# KiCad board panel.kicad_pcb
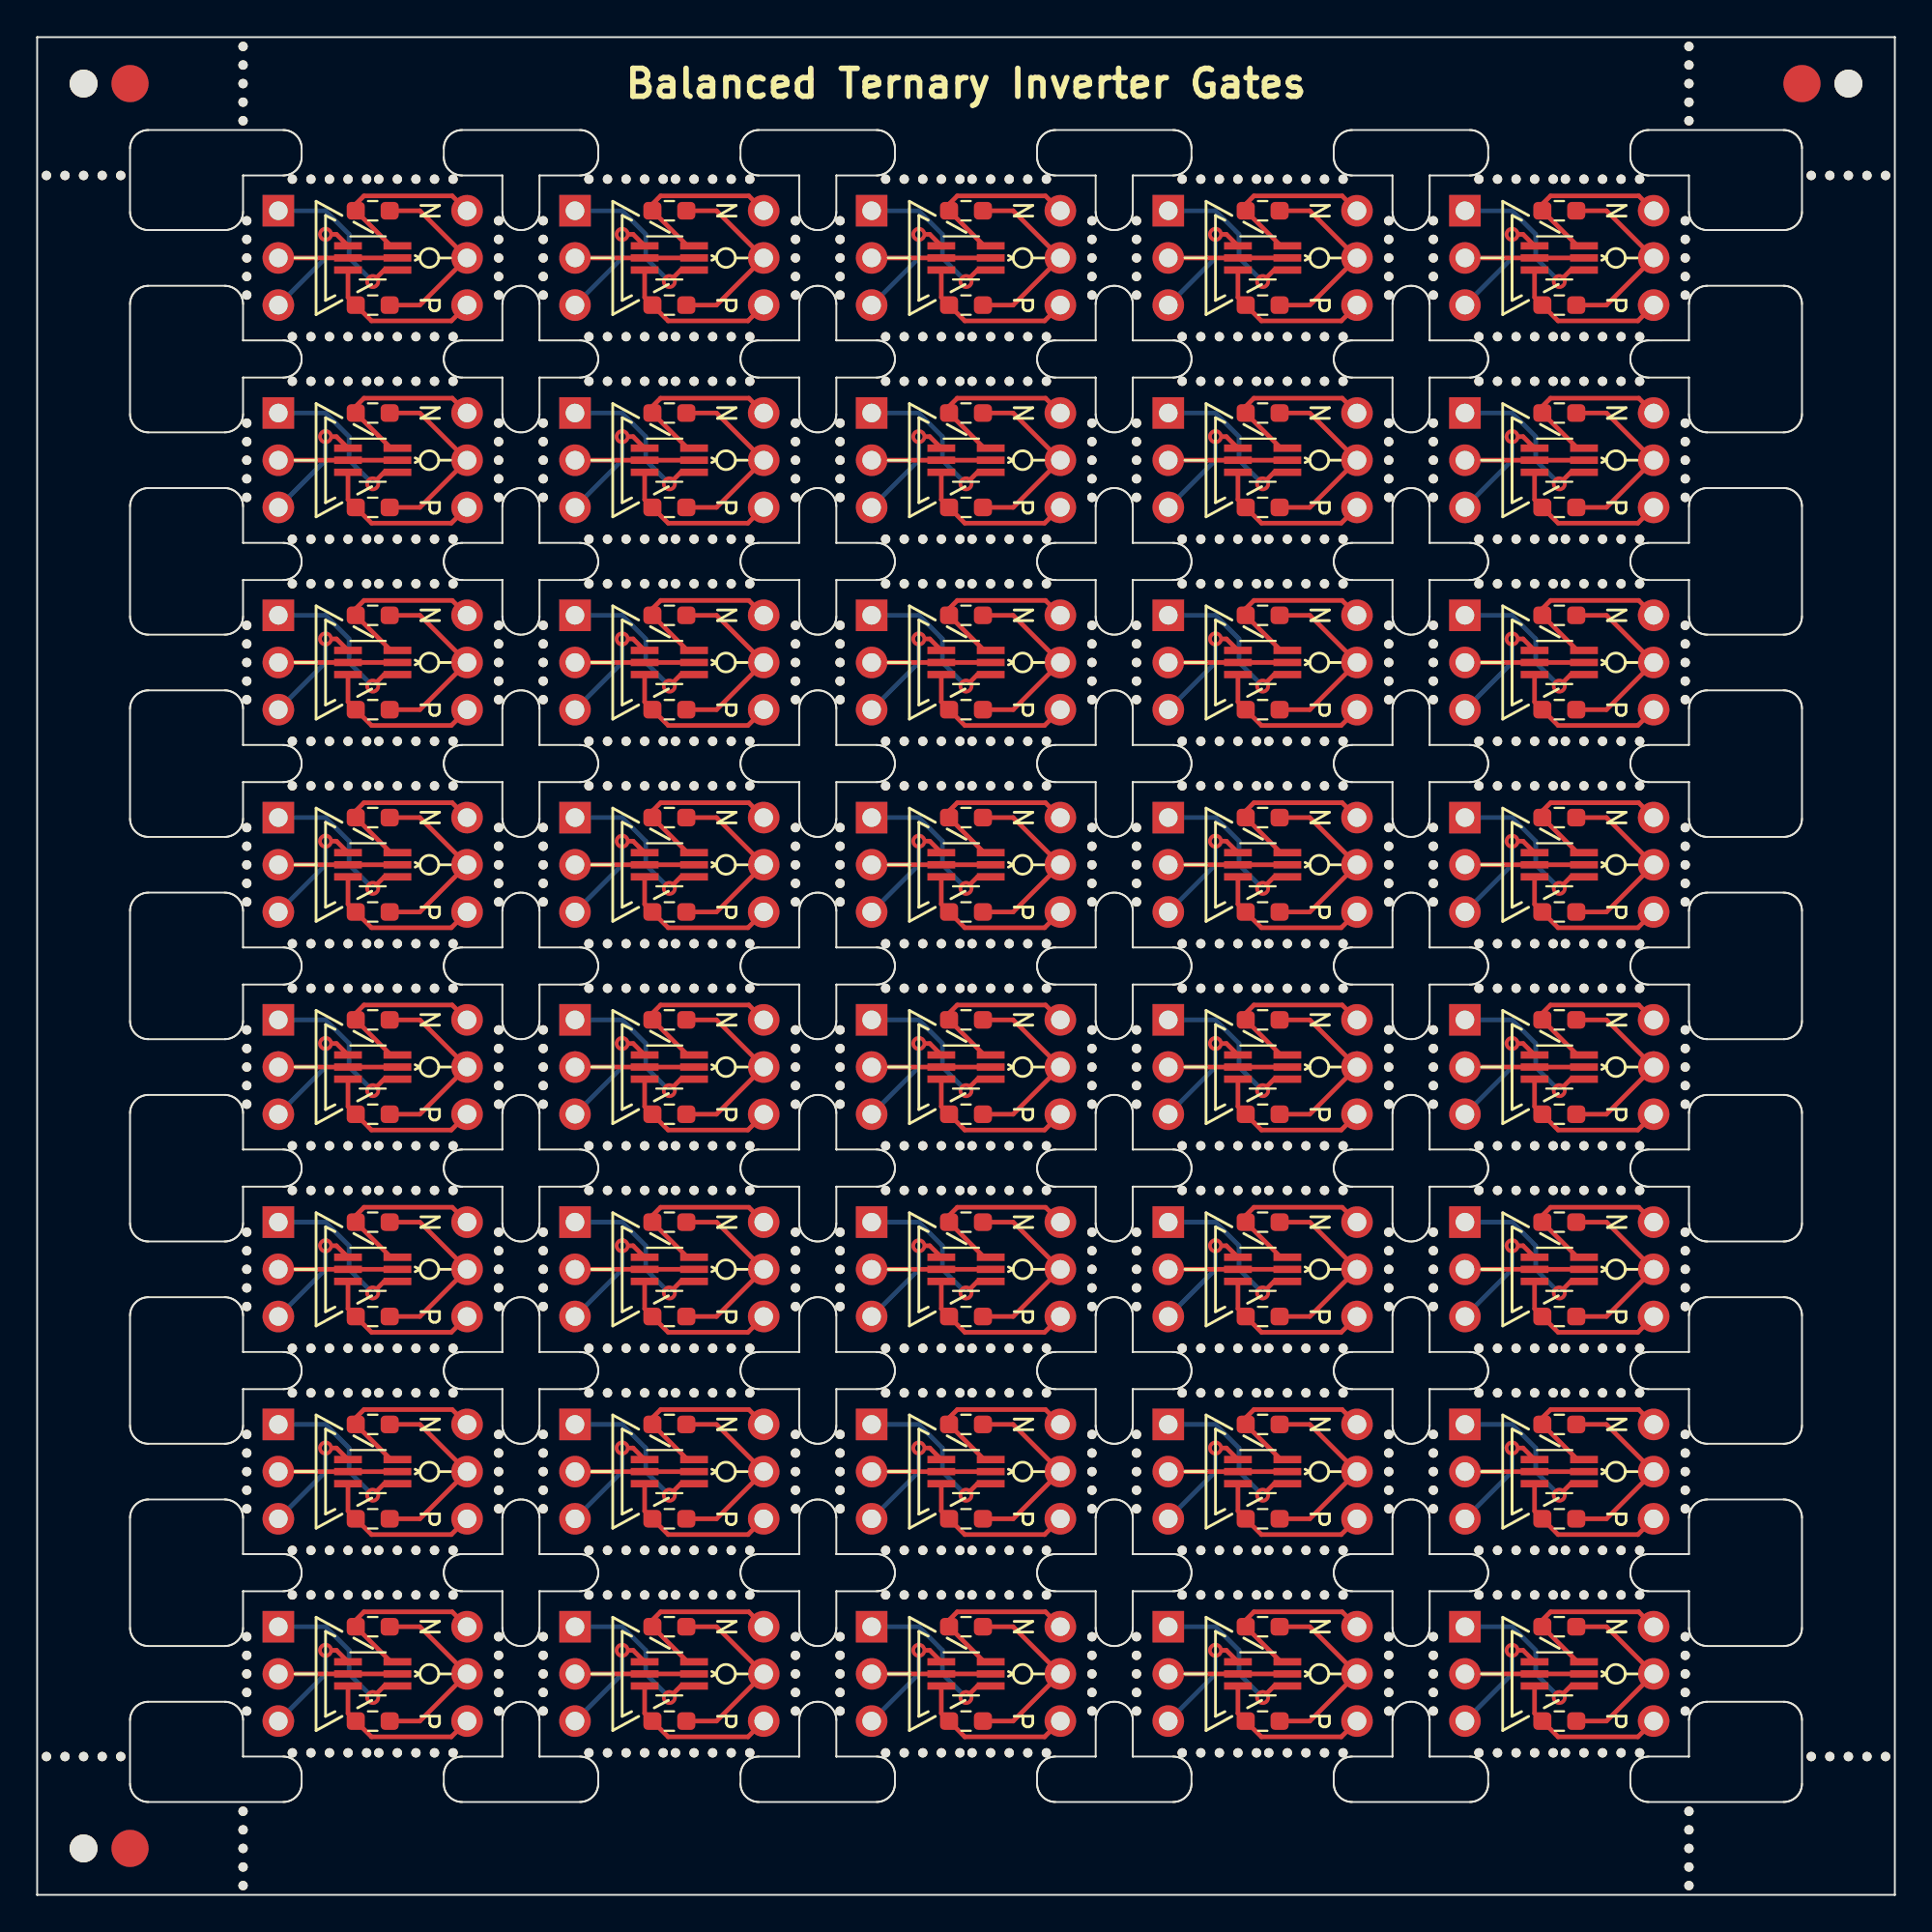
[diagram p0: board, top side]
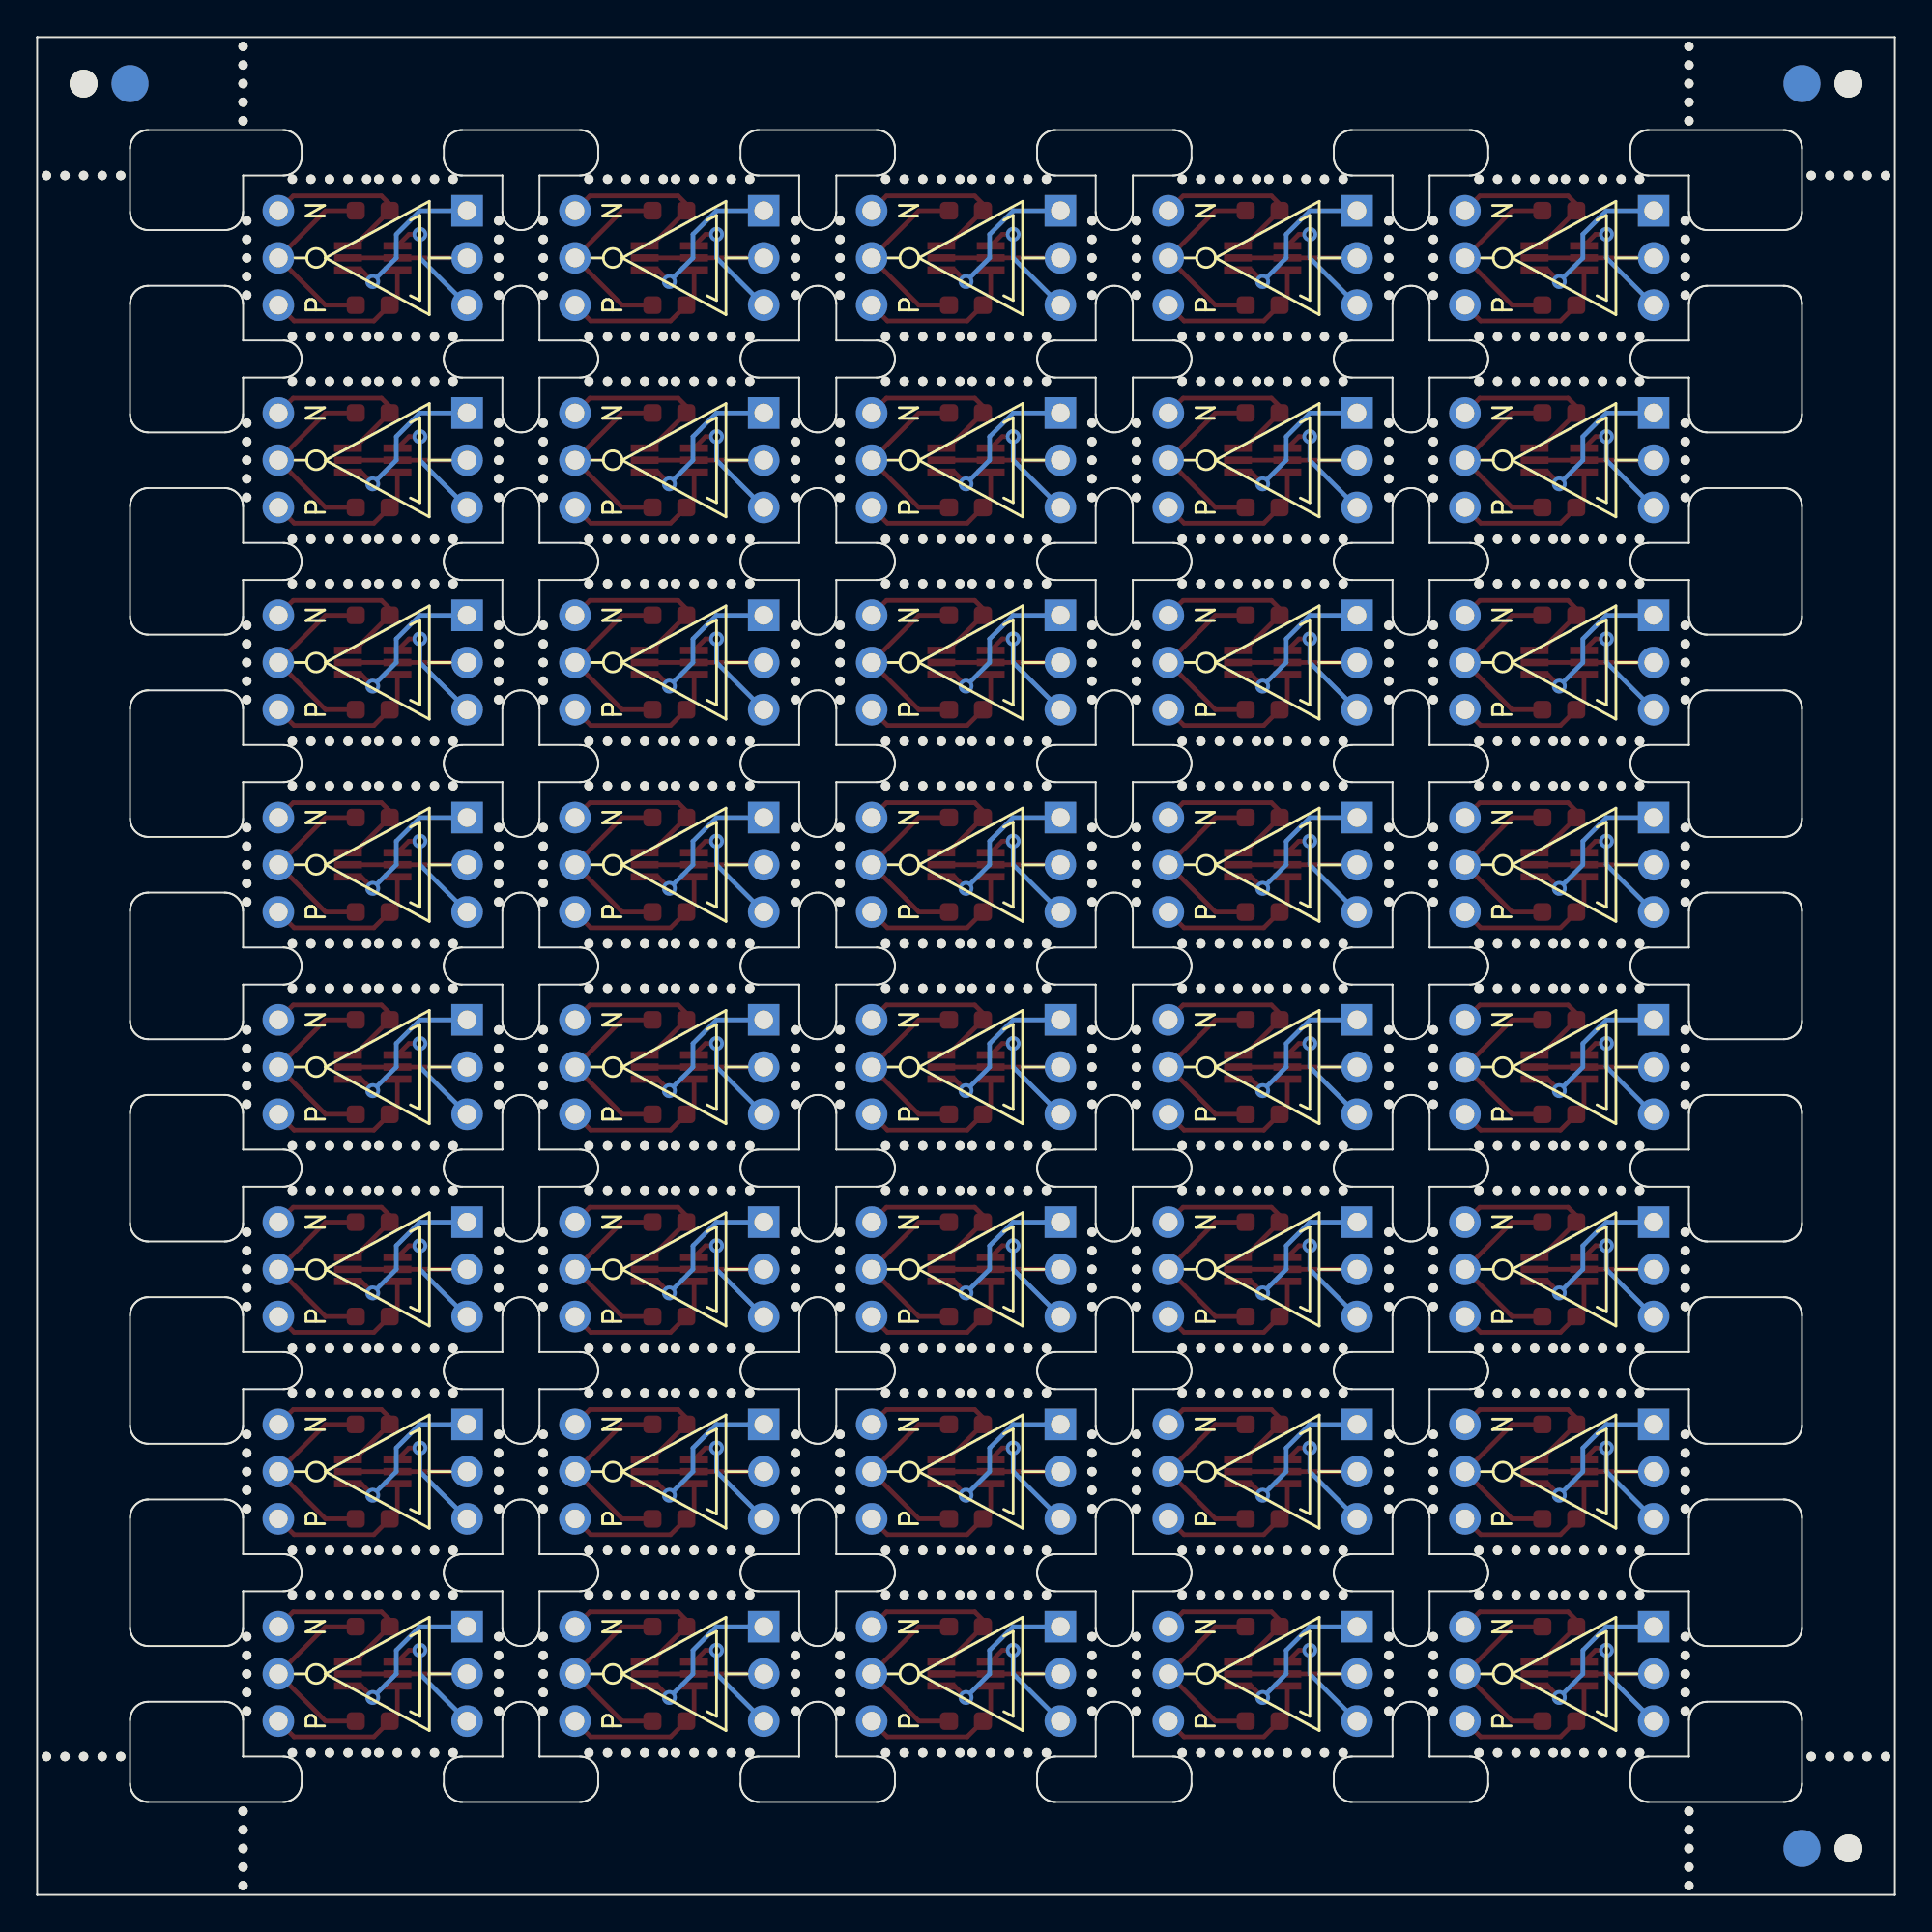
[diagram p1: board, bottom side, seen from below]

Outline 100.01 x 100.01 mm; copper layers: Top, Bottom. Coordinates in mm from the lower left corner of the outline.
Stack: Top 0.035mm / dielectric 1.51mm FR4 er 4.5 / Bottom 0.035mm

## Placement (name value [footprint] x y rotation side)
J1  Conn_01x03  [PinHeader_1x03_P2.54mm_Vertical_NoSilkscreen#2]  28.95 79.78 0 top
J1#2  Conn_01x03  [PinHeader_1x03_P2.54mm_Vertical_NoSilkscreen#2]  60.89 36.22 0 top
J1#3  Conn_01x03  [PinHeader_1x03_P2.54mm_Vertical_NoSilkscreen#2]  44.92 68.89 0 top
J1#4  Conn_01x03  [PinHeader_1x03_P2.54mm_Vertical_NoSilkscreen#2]  76.86 36.22 0 top
J1#5  Conn_01x03  [PinHeader_1x03_P2.54mm_Vertical_NoSilkscreen#2]  44.92 47.11 0 top
J1#6  Conn_01x03  [PinHeader_1x03_P2.54mm_Vertical_NoSilkscreen#2]  28.95 14.44 0 top
J1#7  Conn_01x03  [PinHeader_1x03_P2.54mm_Vertical_NoSilkscreen#2]  28.95 68.89 0 top
J1#8  Conn_01x03  [PinHeader_1x03_P2.54mm_Vertical_NoSilkscreen#2]  76.86 25.33 0 top
J1#9  Conn_01x03  [PinHeader_1x03_P2.54mm_Vertical_NoSilkscreen#2]  76.86 14.44 0 top
J1#10  Conn_01x03  [PinHeader_1x03_P2.54mm_Vertical_NoSilkscreen#2]  28.95 90.67 0 top
J1#11  Conn_01x03  [PinHeader_1x03_P2.54mm_Vertical_NoSilkscreen#2]  12.98 47.11 0 top
J1#12  Conn_01x03  [PinHeader_1x03_P2.54mm_Vertical_NoSilkscreen#2]  76.86 90.67 0 top
J1#13  Conn_01x03  [PinHeader_1x03_P2.54mm_Vertical_NoSilkscreen#2]  12.98 68.89 0 top
J1#14  Conn_01x03  [PinHeader_1x03_P2.54mm_Vertical_NoSilkscreen#2]  60.89 58 0 top
J1#15  Conn_01x03  [PinHeader_1x03_P2.54mm_Vertical_NoSilkscreen#2]  44.92 58 0 top
J1#16  Conn_01x03  [PinHeader_1x03_P2.54mm_Vertical_NoSilkscreen#2]  12.98 36.22 0 top
J1#17  Conn_01x03  [PinHeader_1x03_P2.54mm_Vertical_NoSilkscreen#2]  76.86 58 0 top
J1#18  Conn_01x03  [PinHeader_1x03_P2.54mm_Vertical_NoSilkscreen#2]  28.95 25.33 0 top
J1#19  Conn_01x03  [PinHeader_1x03_P2.54mm_Vertical_NoSilkscreen#2]  44.92 14.44 0 top
J1#20  Conn_01x03  [PinHeader_1x03_P2.54mm_Vertical_NoSilkscreen#2]  60.89 25.33 0 top
J1#21  Conn_01x03  [PinHeader_1x03_P2.54mm_Vertical_NoSilkscreen#2]  44.92 79.78 0 top
J1#22  Conn_01x03  [PinHeader_1x03_P2.54mm_Vertical_NoSilkscreen#2]  12.98 90.67 0 top
J1#23  Conn_01x03  [PinHeader_1x03_P2.54mm_Vertical_NoSilkscreen#2]  44.92 36.22 0 top
J1#24  Conn_01x03  [PinHeader_1x03_P2.54mm_Vertical_NoSilkscreen#2]  60.89 14.44 0 top
J1#25  Conn_01x03  [PinHeader_1x03_P2.54mm_Vertical_NoSilkscreen#2]  12.98 25.33 0 top
J1#26  Conn_01x03  [PinHeader_1x03_P2.54mm_Vertical_NoSilkscreen#2]  12.98 79.78 0 top
J1#27  Conn_01x03  [PinHeader_1x03_P2.54mm_Vertical_NoSilkscreen#2]  76.86 79.78 0 top
J1#28  Conn_01x03  [PinHeader_1x03_P2.54mm_Vertical_NoSilkscreen#2]  44.92 25.33 0 top
J1#29  Conn_01x03  [PinHeader_1x03_P2.54mm_Vertical_NoSilkscreen#2]  60.89 90.67 0 top
J1#30  Conn_01x03  [PinHeader_1x03_P2.54mm_Vertical_NoSilkscreen#2]  28.95 36.22 0 top
J1#31  Conn_01x03  [PinHeader_1x03_P2.54mm_Vertical_NoSilkscreen#2]  12.98 14.44 0 top
J1#32  Conn_01x03  [PinHeader_1x03_P2.54mm_Vertical_NoSilkscreen#2]  76.86 47.11 0 top
J1#33  Conn_01x03  [PinHeader_1x03_P2.54mm_Vertical_NoSilkscreen#2]  44.92 90.67 0 top
J1#34  Conn_01x03  [PinHeader_1x03_P2.54mm_Vertical_NoSilkscreen#2]  76.86 68.89 0 top
J1#35  Conn_01x03  [PinHeader_1x03_P2.54mm_Vertical_NoSilkscreen#2]  28.95 47.11 0 top
J1#36  Conn_01x03  [PinHeader_1x03_P2.54mm_Vertical_NoSilkscreen#2]  60.89 79.78 0 top
J1#37  Conn_01x03  [PinHeader_1x03_P2.54mm_Vertical_NoSilkscreen#2]  28.95 58 0 top
J1#38  Conn_01x03  [PinHeader_1x03_P2.54mm_Vertical_NoSilkscreen#2]  60.89 68.89 0 top
J1#39  Conn_01x03  [PinHeader_1x03_P2.54mm_Vertical_NoSilkscreen#2]  60.89 47.11 0 top
J1#40  Conn_01x03  [PinHeader_1x03_P2.54mm_Vertical_NoSilkscreen#2]  12.98 58 0 top
J2  Conn_01x03  [PinHeader_1x03_P2.54mm_Vertical_NoSilkscreen]  87.03 79.78 0 top
J2#2  Conn_01x03  [PinHeader_1x03_P2.54mm_Vertical_NoSilkscreen]  71.06 79.78 0 top
J2#3  Conn_01x03  [PinHeader_1x03_P2.54mm_Vertical_NoSilkscreen]  23.15 47.11 0 top
J2#4  Conn_01x03  [PinHeader_1x03_P2.54mm_Vertical_NoSilkscreen]  55.08 90.67 0 top
J2#5  Conn_01x03  [PinHeader_1x03_P2.54mm_Vertical_NoSilkscreen]  39.12 25.33 0 top
J2#6  Conn_01x03  [PinHeader_1x03_P2.54mm_Vertical_NoSilkscreen]  87.03 47.11 0 top
J2#7  Conn_01x03  [PinHeader_1x03_P2.54mm_Vertical_NoSilkscreen]  55.08 14.44 0 top
J2#8  Conn_01x03  [PinHeader_1x03_P2.54mm_Vertical_NoSilkscreen]  71.06 36.22 0 top
J2#9  Conn_01x03  [PinHeader_1x03_P2.54mm_Vertical_NoSilkscreen]  39.12 47.11 0 top
J2#10  Conn_01x03  [PinHeader_1x03_P2.54mm_Vertical_NoSilkscreen]  55.08 36.22 0 top
J2#11  Conn_01x03  [PinHeader_1x03_P2.54mm_Vertical_NoSilkscreen]  39.12 68.89 0 top
J2#12  Conn_01x03  [PinHeader_1x03_P2.54mm_Vertical_NoSilkscreen]  71.06 90.67 0 top
J2#13  Conn_01x03  [PinHeader_1x03_P2.54mm_Vertical_NoSilkscreen]  23.15 25.33 0 top
J2#14  Conn_01x03  [PinHeader_1x03_P2.54mm_Vertical_NoSilkscreen]  39.12 90.67 0 top
J2#15  Conn_01x03  [PinHeader_1x03_P2.54mm_Vertical_NoSilkscreen]  23.15 14.44 0 top
J2#16  Conn_01x03  [PinHeader_1x03_P2.54mm_Vertical_NoSilkscreen]  39.12 36.22 0 top
J2#17  Conn_01x03  [PinHeader_1x03_P2.54mm_Vertical_NoSilkscreen]  71.06 68.89 0 top
J2#18  Conn_01x03  [PinHeader_1x03_P2.54mm_Vertical_NoSilkscreen]  71.06 25.33 0 top
J2#19  Conn_01x03  [PinHeader_1x03_P2.54mm_Vertical_NoSilkscreen]  39.12 79.78 0 top
J2#20  Conn_01x03  [PinHeader_1x03_P2.54mm_Vertical_NoSilkscreen]  23.15 68.89 0 top
J2#21  Conn_01x03  [PinHeader_1x03_P2.54mm_Vertical_NoSilkscreen]  55.08 68.89 0 top
J2#22  Conn_01x03  [PinHeader_1x03_P2.54mm_Vertical_NoSilkscreen]  71.06 47.11 0 top
J2#23  Conn_01x03  [PinHeader_1x03_P2.54mm_Vertical_NoSilkscreen]  87.03 25.33 0 top
J2#24  Conn_01x03  [PinHeader_1x03_P2.54mm_Vertical_NoSilkscreen]  87.03 90.67 0 top
J2#25  Conn_01x03  [PinHeader_1x03_P2.54mm_Vertical_NoSilkscreen]  23.15 90.67 0 top
J2#26  Conn_01x03  [PinHeader_1x03_P2.54mm_Vertical_NoSilkscreen]  39.12 14.44 0 top
J2#27  Conn_01x03  [PinHeader_1x03_P2.54mm_Vertical_NoSilkscreen]  87.03 14.44 0 top
J2#28  Conn_01x03  [PinHeader_1x03_P2.54mm_Vertical_NoSilkscreen]  55.08 47.11 0 top
J2#29  Conn_01x03  [PinHeader_1x03_P2.54mm_Vertical_NoSilkscreen]  55.08 79.78 0 top
J2#30  Conn_01x03  [PinHeader_1x03_P2.54mm_Vertical_NoSilkscreen]  87.03 68.89 0 top
J2#31  Conn_01x03  [PinHeader_1x03_P2.54mm_Vertical_NoSilkscreen]  23.15 58 0 top
J2#32  Conn_01x03  [PinHeader_1x03_P2.54mm_Vertical_NoSilkscreen]  55.08 58 0 top
J2#33  Conn_01x03  [PinHeader_1x03_P2.54mm_Vertical_NoSilkscreen]  23.15 79.78 0 top
J2#34  Conn_01x03  [PinHeader_1x03_P2.54mm_Vertical_NoSilkscreen]  55.08 25.33 0 top
J2#35  Conn_01x03  [PinHeader_1x03_P2.54mm_Vertical_NoSilkscreen]  71.06 14.44 0 top
J2#36  Conn_01x03  [PinHeader_1x03_P2.54mm_Vertical_NoSilkscreen]  87.03 58 0 top
J2#37  Conn_01x03  [PinHeader_1x03_P2.54mm_Vertical_NoSilkscreen]  71.06 58 0 top
J2#38  Conn_01x03  [PinHeader_1x03_P2.54mm_Vertical_NoSilkscreen]  39.12 58 0 top
J2#39  Conn_01x03  [PinHeader_1x03_P2.54mm_Vertical_NoSilkscreen]  87.03 36.22 0 top
J2#40  Conn_01x03  [PinHeader_1x03_P2.54mm_Vertical_NoSilkscreen]  23.15 36.22 0 top
Q1  BSS8402DW-7-F  [SOT-363_SC-70-6_Handsoldering]  50 77.24 0 top
Q1#2  BSS8402DW-7-F  [SOT-363_SC-70-6_Handsoldering]  18.06 22.79 0 top
Q1#3  BSS8402DW-7-F  [SOT-363_SC-70-6_Handsoldering]  18.06 11.9 0 top
Q1#4  BSS8402DW-7-F  [SOT-363_SC-70-6_Handsoldering]  81.94 22.79 0 top
Q1#5  BSS8402DW-7-F  [SOT-363_SC-70-6_Handsoldering]  81.94 66.35 0 top
Q1#6  BSS8402DW-7-F  [SOT-363_SC-70-6_Handsoldering]  65.97 66.35 0 top
Q1#7  BSS8402DW-7-F  [SOT-363_SC-70-6_Handsoldering]  50 22.79 0 top
Q1#8  BSS8402DW-7-F  [SOT-363_SC-70-6_Handsoldering]  18.06 44.57 0 top
Q1#9  BSS8402DW-7-F  [SOT-363_SC-70-6_Handsoldering]  81.94 55.46 0 top
Q1#10  BSS8402DW-7-F  [SOT-363_SC-70-6_Handsoldering]  65.97 22.79 0 top
Q1#11  BSS8402DW-7-F  [SOT-363_SC-70-6_Handsoldering]  65.97 33.68 0 top
Q1#12  BSS8402DW-7-F  [SOT-363_SC-70-6_Handsoldering]  18.06 55.46 0 top
Q1#13  BSS8402DW-7-F  [SOT-363_SC-70-6_Handsoldering]  81.94 33.68 0 top
Q1#14  BSS8402DW-7-F  [SOT-363_SC-70-6_Handsoldering]  34.03 77.24 0 top
Q1#15  BSS8402DW-7-F  [SOT-363_SC-70-6_Handsoldering]  81.94 77.24 0 top
Q1#16  BSS8402DW-7-F  [SOT-363_SC-70-6_Handsoldering]  34.03 88.13 0 top
Q1#17  BSS8402DW-7-F  [SOT-363_SC-70-6_Handsoldering]  18.06 33.68 0 top
Q1#18  BSS8402DW-7-F  [SOT-363_SC-70-6_Handsoldering]  18.06 66.35 0 top
Q1#19  BSS8402DW-7-F  [SOT-363_SC-70-6_Handsoldering]  81.94 88.13 0 top
Q1#20  BSS8402DW-7-F  [SOT-363_SC-70-6_Handsoldering]  50 66.35 0 top
Q1#21  BSS8402DW-7-F  [SOT-363_SC-70-6_Handsoldering]  34.03 22.79 0 top
Q1#22  BSS8402DW-7-F  [SOT-363_SC-70-6_Handsoldering]  81.94 11.9 0 top
Q1#23  BSS8402DW-7-F  [SOT-363_SC-70-6_Handsoldering]  50 55.46 0 top
Q1#24  BSS8402DW-7-F  [SOT-363_SC-70-6_Handsoldering]  81.94 44.57 0 top
Q1#25  BSS8402DW-7-F  [SOT-363_SC-70-6_Handsoldering]  50 11.9 0 top
Q1#26  BSS8402DW-7-F  [SOT-363_SC-70-6_Handsoldering]  34.03 11.9 0 top
Q1#27  BSS8402DW-7-F  [SOT-363_SC-70-6_Handsoldering]  18.06 77.24 0 top
Q1#28  BSS8402DW-7-F  [SOT-363_SC-70-6_Handsoldering]  34.03 66.35 0 top
Q1#29  BSS8402DW-7-F  [SOT-363_SC-70-6_Handsoldering]  65.97 88.13 0 top
Q1#30  BSS8402DW-7-F  [SOT-363_SC-70-6_Handsoldering]  65.97 44.57 0 top
Q1#31  BSS8402DW-7-F  [SOT-363_SC-70-6_Handsoldering]  34.03 33.68 0 top
Q1#32  BSS8402DW-7-F  [SOT-363_SC-70-6_Handsoldering]  50 33.68 0 top
Q1#33  BSS8402DW-7-F  [SOT-363_SC-70-6_Handsoldering]  65.97 77.24 0 top
Q1#34  BSS8402DW-7-F  [SOT-363_SC-70-6_Handsoldering]  65.97 11.9 0 top
Q1#35  BSS8402DW-7-F  [SOT-363_SC-70-6_Handsoldering]  34.03 55.46 0 top
Q1#36  BSS8402DW-7-F  [SOT-363_SC-70-6_Handsoldering]  50 44.57 0 top
Q1#37  BSS8402DW-7-F  [SOT-363_SC-70-6_Handsoldering]  50 88.13 0 top
Q1#38  BSS8402DW-7-F  [SOT-363_SC-70-6_Handsoldering]  65.97 55.46 0 top
Q1#39  BSS8402DW-7-F  [SOT-363_SC-70-6_Handsoldering]  18.06 88.13 0 top
Q1#40  BSS8402DW-7-F  [SOT-363_SC-70-6_Handsoldering]  34.03 44.57 0 top
R1  12k  [R_0603_1608Metric_Pad0.98x0.95mm_HandSolder]  34.03 42.03 0 top
R1#2  12k  [R_0603_1608Metric_Pad0.98x0.95mm_HandSolder]  81.94 9.36 0 top
R1#3  12k  [R_0603_1608Metric_Pad0.98x0.95mm_HandSolder]  18.06 52.92 0 top
R1#4  12k  [R_0603_1608Metric_Pad0.98x0.95mm_HandSolder]  50 20.25 0 top
R1#5  12k  [R_0603_1608Metric_Pad0.98x0.95mm_HandSolder]  65.97 42.03 0 top
R1#6  12k  [R_0603_1608Metric_Pad0.98x0.95mm_HandSolder]  34.03 52.92 0 top
R1#7  12k  [R_0603_1608Metric_Pad0.98x0.95mm_HandSolder]  18.06 74.7 0 top
R1#8  12k  [R_0603_1608Metric_Pad0.98x0.95mm_HandSolder]  81.94 20.25 0 top
R1#9  12k  [R_0603_1608Metric_Pad0.98x0.95mm_HandSolder]  81.94 31.14 0 top
R1#10  12k  [R_0603_1608Metric_Pad0.98x0.95mm_HandSolder]  65.97 63.81 0 top
R1#11  12k  [R_0603_1608Metric_Pad0.98x0.95mm_HandSolder]  81.94 74.7 0 top
R1#12  12k  [R_0603_1608Metric_Pad0.98x0.95mm_HandSolder]  18.06 20.25 0 top
R1#13  12k  [R_0603_1608Metric_Pad0.98x0.95mm_HandSolder]  81.94 52.92 0 top
R1#14  12k  [R_0603_1608Metric_Pad0.98x0.95mm_HandSolder]  81.94 42.03 0 top
R1#15  12k  [R_0603_1608Metric_Pad0.98x0.95mm_HandSolder]  50 52.92 0 top
R1#16  12k  [R_0603_1608Metric_Pad0.98x0.95mm_HandSolder]  65.97 52.92 0 top
R1#17  12k  [R_0603_1608Metric_Pad0.98x0.95mm_HandSolder]  18.06 9.36 0 top
R1#18  12k  [R_0603_1608Metric_Pad0.98x0.95mm_HandSolder]  50 85.59 0 top
R1#19  12k  [R_0603_1608Metric_Pad0.98x0.95mm_HandSolder]  65.97 20.25 0 top
R1#20  12k  [R_0603_1608Metric_Pad0.98x0.95mm_HandSolder]  65.97 9.36 0 top
R1#21  12k  [R_0603_1608Metric_Pad0.98x0.95mm_HandSolder]  81.94 85.59 0 top
R1#22  12k  [R_0603_1608Metric_Pad0.98x0.95mm_HandSolder]  50 9.36 0 top
R1#23  12k  [R_0603_1608Metric_Pad0.98x0.95mm_HandSolder]  50 31.14 0 top
R1#24  12k  [R_0603_1608Metric_Pad0.98x0.95mm_HandSolder]  34.03 9.36 0 top
R1#25  12k  [R_0603_1608Metric_Pad0.98x0.95mm_HandSolder]  50 63.81 0 top
R1#26  12k  [R_0603_1608Metric_Pad0.98x0.95mm_HandSolder]  65.97 31.14 0 top
R1#27  12k  [R_0603_1608Metric_Pad0.98x0.95mm_HandSolder]  18.06 42.03 0 top
R1#28  12k  [R_0603_1608Metric_Pad0.98x0.95mm_HandSolder]  65.97 85.59 0 top
R1#29  12k  [R_0603_1608Metric_Pad0.98x0.95mm_HandSolder]  65.97 74.7 0 top
R1#30  12k  [R_0603_1608Metric_Pad0.98x0.95mm_HandSolder]  50 74.7 0 top
R1#31  12k  [R_0603_1608Metric_Pad0.98x0.95mm_HandSolder]  34.03 74.7 0 top
R1#32  12k  [R_0603_1608Metric_Pad0.98x0.95mm_HandSolder]  18.06 85.59 0 top
R1#33  12k  [R_0603_1608Metric_Pad0.98x0.95mm_HandSolder]  34.03 85.59 0 top
R1#34  12k  [R_0603_1608Metric_Pad0.98x0.95mm_HandSolder]  81.94 63.81 0 top
R1#35  12k  [R_0603_1608Metric_Pad0.98x0.95mm_HandSolder]  18.06 63.81 0 top
R1#36  12k  [R_0603_1608Metric_Pad0.98x0.95mm_HandSolder]  34.03 63.81 0 top
R1#37  12k  [R_0603_1608Metric_Pad0.98x0.95mm_HandSolder]  34.03 31.14 0 top
R1#38  12k  [R_0603_1608Metric_Pad0.98x0.95mm_HandSolder]  50 42.03 0 top
R1#39  12k  [R_0603_1608Metric_Pad0.98x0.95mm_HandSolder]  34.03 20.25 0 top
R1#40  12k  [R_0603_1608Metric_Pad0.98x0.95mm_HandSolder]  18.06 31.14 0 top
R2  12k  [R_0603_1608Metric_Pad0.98x0.95mm_HandSolder]  65.97 68.89 180 top
R2#2  12k  [R_0603_1608Metric_Pad0.98x0.95mm_HandSolder]  65.97 47.11 180 top
R2#3  12k  [R_0603_1608Metric_Pad0.98x0.95mm_HandSolder]  18.06 47.11 180 top
R2#4  12k  [R_0603_1608Metric_Pad0.98x0.95mm_HandSolder]  34.03 47.11 180 top
R2#5  12k  [R_0603_1608Metric_Pad0.98x0.95mm_HandSolder]  34.03 79.78 180 top
R2#6  12k  [R_0603_1608Metric_Pad0.98x0.95mm_HandSolder]  65.97 58 180 top
R2#7  12k  [R_0603_1608Metric_Pad0.98x0.95mm_HandSolder]  34.03 58 180 top
R2#8  12k  [R_0603_1608Metric_Pad0.98x0.95mm_HandSolder]  81.94 68.89 180 top
R2#9  12k  [R_0603_1608Metric_Pad0.98x0.95mm_HandSolder]  65.97 79.78 180 top
R2#10  12k  [R_0603_1608Metric_Pad0.98x0.95mm_HandSolder]  34.03 90.67 180 top
R2#11  12k  [R_0603_1608Metric_Pad0.98x0.95mm_HandSolder]  81.94 90.67 180 top
R2#12  12k  [R_0603_1608Metric_Pad0.98x0.95mm_HandSolder]  65.97 36.22 180 top
R2#13  12k  [R_0603_1608Metric_Pad0.98x0.95mm_HandSolder]  50 79.78 180 top
R2#14  12k  [R_0603_1608Metric_Pad0.98x0.95mm_HandSolder]  81.94 25.33 180 top
R2#15  12k  [R_0603_1608Metric_Pad0.98x0.95mm_HandSolder]  18.06 14.44 180 top
R2#16  12k  [R_0603_1608Metric_Pad0.98x0.95mm_HandSolder]  81.94 58 180 top
R2#17  12k  [R_0603_1608Metric_Pad0.98x0.95mm_HandSolder]  34.03 68.89 180 top
R2#18  12k  [R_0603_1608Metric_Pad0.98x0.95mm_HandSolder]  18.06 25.33 180 top
R2#19  12k  [R_0603_1608Metric_Pad0.98x0.95mm_HandSolder]  50 36.22 180 top
R2#20  12k  [R_0603_1608Metric_Pad0.98x0.95mm_HandSolder]  81.94 47.11 180 top
R2#21  12k  [R_0603_1608Metric_Pad0.98x0.95mm_HandSolder]  18.06 58 180 top
R2#22  12k  [R_0603_1608Metric_Pad0.98x0.95mm_HandSolder]  65.97 90.67 180 top
R2#23  12k  [R_0603_1608Metric_Pad0.98x0.95mm_HandSolder]  65.97 25.33 180 top
R2#24  12k  [R_0603_1608Metric_Pad0.98x0.95mm_HandSolder]  34.03 25.33 180 top
R2#25  12k  [R_0603_1608Metric_Pad0.98x0.95mm_HandSolder]  50 90.67 180 top
R2#26  12k  [R_0603_1608Metric_Pad0.98x0.95mm_HandSolder]  34.03 36.22 180 top
R2#27  12k  [R_0603_1608Metric_Pad0.98x0.95mm_HandSolder]  50 58 180 top
R2#28  12k  [R_0603_1608Metric_Pad0.98x0.95mm_HandSolder]  50 68.89 180 top
R2#29  12k  [R_0603_1608Metric_Pad0.98x0.95mm_HandSolder]  18.06 36.22 180 top
R2#30  12k  [R_0603_1608Metric_Pad0.98x0.95mm_HandSolder]  34.03 14.44 180 top
R2#31  12k  [R_0603_1608Metric_Pad0.98x0.95mm_HandSolder]  18.06 90.67 180 top
R2#32  12k  [R_0603_1608Metric_Pad0.98x0.95mm_HandSolder]  81.94 36.22 180 top
R2#33  12k  [R_0603_1608Metric_Pad0.98x0.95mm_HandSolder]  18.06 79.78 180 top
R2#34  12k  [R_0603_1608Metric_Pad0.98x0.95mm_HandSolder]  18.06 68.89 180 top
R2#35  12k  [R_0603_1608Metric_Pad0.98x0.95mm_HandSolder]  50 14.44 180 top
R2#36  12k  [R_0603_1608Metric_Pad0.98x0.95mm_HandSolder]  65.97 14.44 180 top
R2#37  12k  [R_0603_1608Metric_Pad0.98x0.95mm_HandSolder]  50 25.33 180 top
R2#38  12k  [R_0603_1608Metric_Pad0.98x0.95mm_HandSolder]  81.94 14.44 180 top
R2#39  12k  [R_0603_1608Metric_Pad0.98x0.95mm_HandSolder]  50 47.11 180 top
R2#40  12k  [R_0603_1608Metric_Pad0.98x0.95mm_HandSolder]  81.94 79.78 180 top
REF**  -  [NPTH]  43.23 10.9 0 top
REF**#2  -  [NPTH]  54.33 72.99 0 top
REF**#3  -  [NPTH]  49.68 81.49 0 top
REF**#4  -  [NPTH]  82.27 7.65 0 top
REF**#5  -  [NPTH]  4.5 92.57 0 top
REF**#6  -  [NPTH]  38.37 51.21 0 top
REF**#7  -  [Fiducial]  5 97.51 0 top
REF**#8  -  [NPTH]  34.37 16.15 0 top
REF**#9  -  [NPTH]  37.37 83.89 0 top
REF**#10  -  [NPTH]  50.33 81.49 0 top
REF**#11  -  [NPTH]  30.7 83.89 0 top
REF**#12  -  [NPTH]  46.68 72.99 0 top
REF**#13  -  [NPTH]  31.7 70.59 0 top
REF**#14  -  [NPTH]  37.37 27.03 0 top
REF**#15  -  [NPTH]  45.68 48.81 0 top
REF**#16  -  [NPTH]  45.68 51.21 0 top
REF**#17  -  [NPTH]  83.27 81.49 0 top
REF**#18  -  [NPTH]  14.74 51.21 0 top
REF**#19  -  [NPTH]  50.33 37.93 0 top
REF**#20  -  [NPTH]  56.78 22.79 0 top
REF**#21  -  [NPTH]  59.19 35.68 0 top
REF**#22  -  [NPTH]  80.62 37.93 0 top
REF**#23  -  [NPTH]  35.37 70.59 0 top
REF**#24  -  [NPTH]  40.83 11.9 0 top
REF**#25  -  [NPTH]  72.77 21.79 0 top
REF**#26  -  [NPTH]  38.37 70.59 0 top
REF**#27  -  [NPTH]  49.68 40.33 0 top
REF**#28  -  [NPTH]  56.78 76.24 0 top
REF**#29  -  [NPTH]  11.09 1.5 0 top
REF**#30  -  [NPTH]  47.68 59.71 0 top
REF**#31  -  [NPTH]  68.31 81.49 0 top
REF**#32  -  [NPTH]  82.27 18.55 0 top
REF**#33  -  [NPTH]  22.39 83.89 0 top
REF**#34  -  [NPTH]  40.83 46.57 0 top
REF**#35  -  [NPTH]  80.62 92.37 0 top
REF**#36  -  [NPTH]  31.7 18.55 0 top
REF**#37  -  [NPTH]  54.33 59.71 0 top
REF**#38  -  [NPTH]  59.19 13.9 0 top
REF**#39  -  [NPTH]  80.62 83.89 0 top
REF**#40  -  [NPTH]  40.83 44.57 0 top
REF**#41  -  [NPTH]  36.37 29.43 0 top
REF**#42  -  [NPTH]  79.62 16.15 0 top
REF**#43  -  [NPTH]  34.37 92.37 0 top
REF**#44  -  [NPTH]  88.72 43.57 0 top
REF**#45  -  [NPTH]  27.24 76.24 0 top
REF**#46  -  [NPTH]  64.64 18.55 0 top
REF**#47  -  [NPTH]  13.74 92.37 0 top
REF**#48  -  [NPTH]  24.84 11.9 0 top
REF**#49  -  [NPTH]  81.62 7.65 0 top